# KiCad board solderCurved.kicad_pcb (continued)
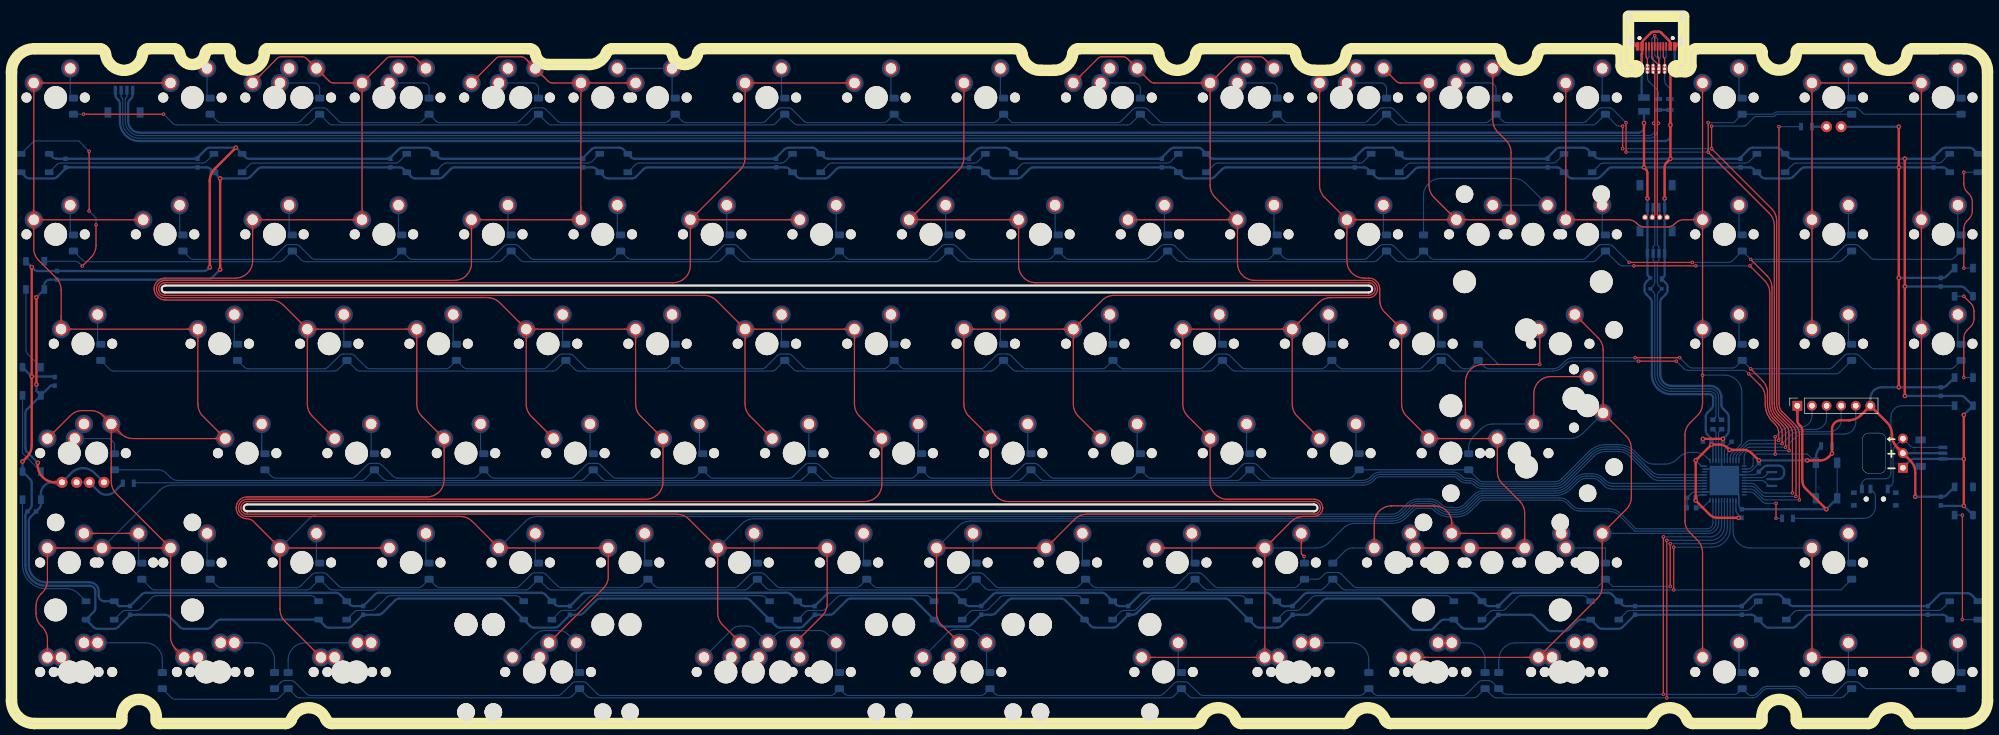
[diagram p0: board, top side]
## Copper pours and planes (outline as drawn; the poured copper is in the pictures) (continued)
Col4 on Top: 187.85,51.23 187.92,51.16 187.99,51.09 188.04,51.02 188.09,50.95 188.14,50.89 188.18,50.82 188.21,50.76 188.24,50.7 188.26,50.64 188.28,50.58 188.29,50.52 188.31,50.46 188.32,50.4 188.33,50.34 188.36,49.77 188.37,49.7 188.38,49.63 188.39,49.55 188.41,49.47 188.43,49.39 188.45,49.31 188.48,49.22 190.04,49.19 190.01,50.75 189.92,50.78 189.84,50.8 189.76,50.82 189.68,50.84 189.6,50.85 189.53,50.86 189.46,50.87 188.89,50.9 188.83,50.91 188.77,50.92 188.71,50.93 188.65,50.95 188.59,50.97 188.53,50.99 188.47,51.02 188.41,51.05 188.34,51.09 188.28,51.13 188.21,51.18 188.14,51.24 188.07,51.3 187.99,51.38
Col4 on Top: 165.9,66.27 165.9,66.38 165.91,66.47 165.92,66.56 165.93,66.64 165.95,66.72 165.96,66.79 165.99,66.86 166.01,66.92 166.04,66.98 166.06,67.04 166.1,67.09 166.13,67.14 166.16,67.19 166.2,67.24 166.58,67.67 166.62,67.72 166.67,67.78 166.71,67.85 166.75,67.91 166.8,67.98 166.84,68.06 166.88,68.14 165.8,69.26 164.72,68.14 164.76,68.06 164.81,67.98 164.85,67.91 164.89,67.85 164.94,67.78 164.98,67.72 165.03,67.67 165.4,67.24 165.44,67.19 165.47,67.14 165.51,67.09 165.54,67.04 165.57,66.98 165.59,66.92 165.62,66.86 165.64,66.79 165.66,66.72 165.67,66.64 165.69,66.56 165.69,66.47 165.7,66.38 165.7,66.27
Col4 on Top: 158.67,87.81 158.56,87.82 158.47,87.82 158.38,87.83 158.3,87.84 158.22,87.86 158.15,87.88 158.08,87.9 158.02,87.92 157.96,87.95 157.9,87.98 157.85,88.01 157.8,88.04 157.75,88.08 157.7,88.11 157.27,88.49 157.22,88.54 157.16,88.58 157.1,88.62 157.03,88.67 156.96,88.71 156.88,88.75 156.8,88.79 155.68,87.71 156.8,86.63 156.88,86.68 156.96,86.72 157.03,86.76 157.1,86.81 157.16,86.85 157.22,86.89 157.27,86.94 157.7,87.32 157.75,87.35 157.8,87.39 157.85,87.42 157.9,87.45 157.96,87.48 158.02,87.51 158.08,87.53 158.15,87.55 158.22,87.57 158.3,87.59 158.38,87.6 158.47,87.61 158.56,87.61 158.67,87.61
Col4 on Top: 184.95,66.27 184.95,66.38 184.96,66.47 184.97,66.56 184.98,66.64 185,66.72 185.01,66.79 185.04,66.86 185.06,66.92 185.09,66.98 185.11,67.04 185.15,67.09 185.18,67.14 185.21,67.19 185.25,67.24 185.63,67.67 185.67,67.72 185.72,67.78 185.76,67.85 185.8,67.91 185.85,67.98 185.89,68.06 185.93,68.14 184.85,69.26 183.77,68.14 183.81,68.06 183.86,67.98 183.9,67.91 183.94,67.85 183.99,67.78 184.03,67.72 184.08,67.67 184.45,67.24 184.49,67.19 184.52,67.14 184.56,67.09 184.59,67.04 184.62,66.98 184.64,66.92 184.67,66.86 184.69,66.79 184.71,66.72 184.72,66.64 184.74,66.56 184.74,66.47 184.75,66.38 184.75,66.27
Col4 on Top: 163.25,15.67 163.32,15.6 163.38,15.53 163.44,15.46 163.49,15.39 163.53,15.33 163.57,15.26 163.6,15.2 163.63,15.14 163.65,15.08 163.67,15.02 163.69,14.96 163.7,14.9 163.71,14.84 163.72,14.78 163.75,14.21 163.76,14.14 163.77,14.07 163.79,13.99 163.8,13.91 163.82,13.83 163.85,13.75 163.87,13.66 165.43,13.63 165.4,15.19 165.31,15.22 165.23,15.24 165.15,15.26 165.07,15.28 165,15.29 164.92,15.3 164.85,15.31 164.28,15.34 164.22,15.35 164.16,15.36 164.1,15.37 164.04,15.39 163.98,15.41 163.92,15.43 163.86,15.46 163.8,15.49 163.73,15.53 163.67,15.57 163.6,15.62 163.53,15.68 163.46,15.74 163.39,15.82
Col4 on Top: 177.7,30.46 177.8,30.46 177.9,30.46 177.98,30.45 178.07,30.44 178.14,30.42 178.22,30.4 178.28,30.38 178.35,30.36 178.41,30.33 178.46,30.3 178.52,30.27 178.57,30.24 178.62,30.2 178.66,30.17 179.09,29.79 179.15,29.74 179.21,29.7 179.27,29.66 179.34,29.61 179.41,29.57 179.48,29.53 179.57,29.48 180.69,30.56 179.57,31.64 179.48,31.6 179.41,31.56 179.34,31.52 179.27,31.47 179.21,31.43 179.15,31.39 179.09,31.34 178.66,30.96 178.62,30.93 178.57,30.89 178.52,30.86 178.46,30.83 178.41,30.8 178.35,30.77 178.28,30.75 178.22,30.73 178.14,30.71 178.07,30.69 177.98,30.68 177.9,30.67 177.8,30.67 177.7,30.66
Col4 on Top: 181.71,32.33 181.63,32.25 181.56,32.19 181.49,32.13 181.43,32.08 181.36,32.04 181.3,32 181.24,31.97 181.17,31.94 181.11,31.92 181.05,31.9 180.99,31.88 180.93,31.87 180.87,31.86 180.81,31.85 180.24,31.82 180.17,31.81 180.1,31.8 180.03,31.79 179.95,31.77 179.87,31.75 179.78,31.73 179.7,31.7 179.66,30.14 181.22,30.17 181.25,30.26 181.28,30.34 181.29,30.42 181.31,30.5 181.32,30.58 181.33,30.65 181.34,30.72 181.38,31.29 181.39,31.35 181.4,31.41 181.41,31.47 181.42,31.53 181.44,31.59 181.47,31.65 181.5,31.71 181.53,31.77 181.57,31.84 181.61,31.9 181.66,31.97 181.72,32.04 181.78,32.11 181.85,32.18
Col4 on Top: 172.94,87.61 173.04,87.61 173.13,87.61 173.22,87.6 173.3,87.59 173.38,87.57 173.45,87.55 173.52,87.53 173.59,87.51 173.64,87.48 173.7,87.45 173.75,87.42 173.81,87.39 173.85,87.35 173.9,87.32 174.33,86.94 174.39,86.89 174.44,86.85 174.51,86.81 174.57,86.76 174.65,86.72 174.72,86.68 174.8,86.63 175.93,87.71 174.8,88.79 174.72,88.75 174.65,88.71 174.57,88.67 174.51,88.62 174.44,88.58 174.39,88.54 174.33,88.49 173.9,88.11 173.85,88.08 173.81,88.04 173.75,88.01 173.7,87.98 173.64,87.95 173.59,87.92 173.52,87.9 173.45,87.88 173.38,87.86 173.3,87.84 173.22,87.83 173.13,87.82 173.04,87.82 172.94,87.81
Col4 on Top: 168.8,51.23 168.87,51.16 168.94,51.09 168.99,51.02 169.04,50.95 169.09,50.89 169.13,50.82 169.16,50.76 169.19,50.7 169.21,50.64 169.23,50.58 169.24,50.52 169.26,50.46 169.27,50.4 169.28,50.34 169.31,49.77 169.32,49.7 169.33,49.63 169.34,49.55 169.36,49.47 169.38,49.39 169.4,49.31 169.43,49.22 170.99,49.19 170.96,50.75 170.87,50.78 170.79,50.8 170.71,50.82 170.63,50.84 170.55,50.85 170.48,50.86 170.41,50.87 169.84,50.9 169.78,50.91 169.72,50.92 169.66,50.93 169.6,50.95 169.54,50.97 169.48,50.99 169.42,51.02 169.36,51.05 169.29,51.09 169.23,51.13 169.16,51.18 169.09,51.24 169.02,51.3 168.94,51.38
Col4 on Top: 170.66,47.22 170.67,47.33 170.67,47.42 170.68,47.51 170.69,47.59 170.71,47.67 170.73,47.74 170.75,47.81 170.77,47.87 170.8,47.93 170.83,47.99 170.86,48.04 170.89,48.09 170.93,48.14 170.96,48.19 171.34,48.62 171.38,48.67 171.43,48.73 171.47,48.8 171.52,48.86 171.56,48.93 171.6,49.01 171.64,49.09 170.56,50.21 169.48,49.09 169.53,49.01 169.57,48.93 169.61,48.86 169.65,48.8 169.7,48.73 169.74,48.67 169.79,48.62 170.17,48.19 170.2,48.14 170.24,48.09 170.27,48.04 170.3,47.99 170.33,47.93 170.36,47.87 170.38,47.81 170.4,47.74 170.42,47.67 170.44,47.59 170.45,47.51 170.46,47.42 170.46,47.33 170.46,47.22
Col4 on Bottom: 163.22,32.89 163.13,32.8 163.03,32.71 162.94,32.64 162.85,32.57 162.76,32.51 162.67,32.46 162.59,32.42 162.5,32.38 162.42,32.35 162.34,32.33 162.26,32.31 162.18,32.29 162.1,32.28 162.02,32.27 161.94,32.26 161.86,32.26 161.44,32.25 161.35,32.24 161.25,32.23 161.16,32.22 161.06,32.21 160.96,32.19 160.85,32.17 160.74,32.15 160.63,32.11 160.51,32.08 160.47,30 162.55,30.04 162.59,30.16 162.62,30.27 162.65,30.38 162.67,30.48 162.69,30.59 162.7,30.68 162.71,30.78 162.72,30.87 162.72,30.96 162.73,31.39 162.74,31.47 162.74,31.55 162.75,31.63 162.77,31.71 162.78,31.79 162.8,31.87 162.83,31.95 162.86,32.03 162.89,32.11 162.94,32.2 162.99,32.28 163.04,32.37 163.11,32.46 163.19,32.56 163.27,32.65 163.37,32.75
Col4 on Bottom: 162.66,32.33 162.58,32.25 162.51,32.19 162.44,32.13 162.38,32.08 162.31,32.04 162.25,32 162.19,31.97 162.12,31.94 162.06,31.92 162,31.9 161.94,31.88 161.88,31.87 161.82,31.86 161.76,31.85 161.19,31.82 161.12,31.81 161.05,31.8 160.98,31.79 160.9,31.77 160.82,31.75 160.73,31.73 160.65,31.7 160.61,30.14 162.17,30.17 162.2,30.26 162.23,30.34 162.24,30.42 162.26,30.5 162.27,30.58 162.28,30.65 162.29,30.72 162.33,31.29 162.34,31.35 162.35,31.41 162.36,31.47 162.37,31.53 162.39,31.59 162.42,31.65 162.45,31.71 162.48,31.77 162.52,31.84 162.56,31.9 162.61,31.97 162.67,32.04 162.73,32.11 162.8,32.18
Col5 on Top: 213.53,85.32 213.53,85.43 213.53,85.52 213.54,85.61 213.56,85.69 213.57,85.77 213.59,85.84 213.61,85.91 213.63,85.97 213.66,86.03 213.69,86.09 213.72,86.14 213.75,86.19 213.79,86.24 213.82,86.29 214.2,86.72 214.25,86.77 214.29,86.83 214.34,86.9 214.38,86.96 214.42,87.03 214.47,87.11 214.51,87.19 213.43,88.31 212.35,87.19 212.39,87.11 212.43,87.03 212.47,86.96 212.52,86.9 212.56,86.83 212.61,86.77 212.65,86.72 213.03,86.29 213.06,86.24 213.1,86.19 213.13,86.14 213.16,86.09 213.19,86.03 213.22,85.97 213.24,85.91 213.26,85.84 213.28,85.77 213.3,85.69 213.31,85.61 213.32,85.52 213.32,85.43 213.33,85.32
Col5 on Top: 225.95,51.23 226.02,51.16 226.09,51.09 226.14,51.02 226.19,50.95 226.24,50.89 226.28,50.82 226.31,50.76 226.34,50.7 226.36,50.64 226.38,50.58 226.39,50.52 226.41,50.46 226.42,50.4 226.43,50.34 226.46,49.77 226.47,49.7 226.48,49.63 226.49,49.55 226.51,49.47 226.53,49.39 226.55,49.31 226.58,49.22 228.14,49.19 228.11,50.75 228.02,50.78 227.94,50.8 227.86,50.82 227.78,50.84 227.7,50.85 227.63,50.86 227.56,50.87 226.99,50.9 226.93,50.91 226.87,50.92 226.81,50.93 226.75,50.95 226.69,50.97 226.63,50.99 226.57,51.02 226.51,51.05 226.44,51.09 226.38,51.13 226.31,51.18 226.24,51.24 226.17,51.3 226.09,51.38
Col5 on Top: 206.9,51.23 206.97,51.16 207.04,51.09 207.09,51.02 207.14,50.95 207.19,50.89 207.23,50.82 207.26,50.76 207.29,50.7 207.31,50.64 207.33,50.58 207.34,50.52 207.36,50.46 207.37,50.4 207.38,50.34 207.41,49.77 207.42,49.7 207.43,49.63 207.44,49.55 207.46,49.47 207.48,49.39 207.5,49.31 207.53,49.22 209.09,49.19 209.06,50.75 208.97,50.78 208.89,50.8 208.81,50.82 208.73,50.84 208.65,50.85 208.58,50.86 208.51,50.87 207.94,50.9 207.88,50.91 207.82,50.92 207.76,50.93 207.7,50.95 207.64,50.97 207.58,50.99 207.52,51.02 207.46,51.05 207.39,51.09 207.33,51.13 207.26,51.18 207.19,51.24 207.12,51.3 207.04,51.38
Col5 on Top: 197.72,112.45 197.65,112.52 197.59,112.59 197.53,112.66 197.48,112.73 197.44,112.79 197.4,112.86 197.37,112.92 197.34,112.98 197.32,113.04 197.3,113.1 197.28,113.16 197.27,113.22 197.26,113.28 197.25,113.34 197.22,113.91 197.21,113.98 197.2,114.06 197.19,114.13 197.17,114.21 197.15,114.29 197.13,114.37 197.1,114.46 195.54,114.49 195.57,112.93 195.66,112.91 195.74,112.88 195.82,112.86 195.9,112.84 195.98,112.83 196.05,112.82 196.12,112.81 196.69,112.78 196.75,112.77 196.81,112.76 196.87,112.75 196.93,112.73 196.99,112.71 197.05,112.69 197.11,112.66 197.17,112.63 197.24,112.59 197.3,112.55 197.37,112.5 197.44,112.44 197.51,112.38 197.58,112.31
Col5 on Top: 194.2,115.69 194.27,115.61 194.34,115.54 194.39,115.47 194.44,115.41 194.49,115.34 194.53,115.28 194.56,115.21 194.59,115.15 194.61,115.09 194.63,115.03 194.64,114.97 194.66,114.91 194.67,114.85 194.68,114.79 194.71,114.22 194.72,114.15 194.73,114.08 194.74,114 194.76,113.93 194.78,113.84 194.8,113.76 194.83,113.67 196.39,113.64 196.36,115.2 196.27,115.23 196.19,115.25 196.11,115.27 196.03,115.29 195.95,115.3 195.88,115.31 195.81,115.32 195.24,115.36 195.18,115.36 195.12,115.37 195.06,115.39 195,115.4 194.94,115.42 194.88,115.45 194.82,115.47 194.76,115.51 194.69,115.54 194.63,115.59 194.56,115.64 194.49,115.69 194.42,115.76 194.34,115.83
Col5 on Top: 218.02,115.69 218.09,115.61 218.15,115.54 218.21,115.47 218.26,115.41 218.3,115.34 218.34,115.28 218.37,115.21 218.4,115.15 218.42,115.09 218.44,115.03 218.46,114.97 218.47,114.91 218.48,114.85 218.49,114.79 218.52,114.22 218.53,114.15 218.54,114.08 218.55,114 218.57,113.93 218.59,113.84 218.61,113.76 218.64,113.67 220.2,113.64 220.17,115.2 220.08,115.23 220,115.25 219.92,115.27 219.84,115.29 219.76,115.3 219.69,115.31 219.62,115.32 219.05,115.36 218.99,115.36 218.93,115.37 218.87,115.39 218.81,115.4 218.75,115.42 218.69,115.45 218.63,115.47 218.57,115.51 218.5,115.54 218.44,115.59 218.37,115.64 218.3,115.69 218.23,115.76 218.16,115.83
Col5 on Top: 210.28,113.29 210.21,113.22 210.14,113.15 210.07,113.1 210,113.05 209.94,113 209.87,112.97 209.81,112.93 209.75,112.91 209.69,112.88 209.63,112.86 209.57,112.85 209.51,112.83 209.45,112.82 209.39,112.82 208.82,112.78 208.75,112.77 208.68,112.76 208.6,112.75 208.52,112.73 208.44,112.71 208.36,112.69 208.27,112.66 208.24,111.1 209.8,111.13 209.83,111.22 209.85,111.3 209.87,111.39 209.89,111.46 209.9,111.54 209.91,111.61 209.92,111.68 209.95,112.25 209.96,112.31 209.97,112.37 209.98,112.43 210,112.49 210.02,112.55 210.04,112.61 210.07,112.67 210.1,112.74 210.14,112.8 210.18,112.87 210.23,112.93 210.29,113 210.35,113.07 210.42,113.15
Col5 on Top: 220.56,68.56 220.66,68.56 220.76,68.56 220.85,68.55 220.93,68.54 221.01,68.52 221.08,68.5 221.15,68.48 221.21,68.46 221.27,68.43 221.33,68.4 221.38,68.37 221.43,68.34 221.48,68.3 221.53,68.27 221.96,67.89 222.01,67.84 222.07,67.8 222.13,67.76 222.2,67.71 222.27,67.67 222.35,67.63 222.43,67.58 223.55,68.66 222.43,69.74 222.35,69.7 222.27,69.66 222.2,69.62 222.13,69.57 222.07,69.53 222.01,69.49 221.96,69.44 221.53,69.06 221.48,69.03 221.43,68.99 221.38,68.96 221.33,68.93 221.27,68.9 221.21,68.87 221.15,68.85 221.08,68.83 221.01,68.81 220.93,68.79 220.85,68.78 220.76,68.77 220.66,68.77 220.56,68.76
Col5 on Top: 204,66.27 204,66.38 204.01,66.47 204.02,66.56 204.03,66.64 204.05,66.72 204.06,66.79 204.09,66.86 204.11,66.92 204.14,66.98 204.16,67.04 204.2,67.09 204.23,67.14 204.26,67.19 204.3,67.24 204.68,67.67 204.72,67.72 204.77,67.78 204.81,67.85 204.85,67.91 204.9,67.98 204.94,68.06 204.98,68.14 203.9,69.26 202.82,68.14 202.86,68.06 202.91,67.98 202.95,67.91 202.99,67.85 203.04,67.78 203.08,67.72 203.13,67.67 203.5,67.24 203.54,67.19 203.57,67.14 203.61,67.09 203.64,67.04 203.67,66.98 203.69,66.92 203.72,66.86 203.74,66.79 203.76,66.72 203.77,66.64 203.79,66.56 203.79,66.47 203.8,66.38 203.8,66.27
Col5 on Top: 219.81,32.33 219.73,32.25 219.66,32.19 219.59,32.13 219.53,32.08 219.46,32.04 219.4,32 219.34,31.97 219.27,31.94 219.21,31.92 219.15,31.9 219.09,31.88 219.03,31.87 218.97,31.86 218.91,31.85 218.34,31.82 218.27,31.81 218.2,31.8 218.13,31.79 218.05,31.77 217.97,31.75 217.88,31.73 217.8,31.7 217.76,30.14 219.32,30.17 219.35,30.26 219.38,30.34 219.39,30.42 219.41,30.5 219.42,30.58 219.43,30.65 219.44,30.72 219.48,31.29 219.49,31.35 219.5,31.41 219.51,31.47 219.52,31.53 219.54,31.59 219.57,31.65 219.6,31.71 219.63,31.77 219.67,31.84 219.71,31.9 219.76,31.97 219.82,32.04 219.88,32.11 219.95,32.18
Col5 on Top: 211.04,87.61 211.14,87.61 211.23,87.61 211.32,87.6 211.4,87.59 211.48,87.57 211.55,87.55 211.62,87.53 211.69,87.51 211.74,87.48 211.8,87.45 211.85,87.42 211.91,87.39 211.95,87.35 212,87.32 212.43,86.94 212.49,86.89 212.54,86.85 212.61,86.81 212.67,86.76 212.75,86.72 212.82,86.68 212.9,86.63 214.03,87.71 212.9,88.79 212.82,88.75 212.75,88.71 212.67,88.67 212.61,88.62 212.54,88.58 212.49,88.54 212.43,88.49 212,88.11 211.95,88.08 211.91,88.04 211.85,88.01 211.8,87.98 211.74,87.95 211.69,87.92 211.62,87.9 211.55,87.88 211.48,87.86 211.4,87.84 211.32,87.83 211.23,87.82 211.14,87.82 211.04,87.81
Col5 on Top: 201.53,30.66 201.43,30.67 201.33,30.67 201.24,30.68 201.16,30.69 201.08,30.71 201.01,30.73 200.94,30.75 200.88,30.77 200.82,30.8 200.76,30.83 200.71,30.86 200.66,30.89 200.61,30.93 200.56,30.96 200.14,31.34 200.08,31.39 200.02,31.43 199.96,31.47 199.89,31.52 199.82,31.56 199.74,31.6 199.66,31.64 198.54,30.56 199.66,29.48 199.74,29.53 199.82,29.57 199.89,29.61 199.96,29.66 200.02,29.7 200.08,29.74 200.14,29.79 200.56,30.17 200.61,30.2 200.66,30.24 200.71,30.27 200.76,30.3 200.82,30.33 200.88,30.36 200.94,30.38 201.01,30.4 201.08,30.42 201.16,30.44 201.24,30.45 201.33,30.46 201.43,30.46 201.53,30.46
Col5 on Top: 208.76,109.14 208.77,109.24 208.77,109.33 208.78,109.42 208.79,109.51 208.81,109.58 208.83,109.65 208.85,109.72 208.87,109.79 208.9,109.85 208.93,109.9 208.96,109.96 208.99,110.01 209.03,110.06 209.06,110.1 209.44,110.53 209.48,110.59 209.53,110.65 209.57,110.71 209.62,110.77 209.66,110.85 209.7,110.92 209.74,111 208.66,112.13 207.58,111 207.63,110.92 207.67,110.85 207.71,110.77 207.75,110.71 207.8,110.65 207.84,110.59 207.89,110.53 208.27,110.1 208.3,110.06 208.34,110.01 208.37,109.96 208.4,109.9 208.43,109.85 208.46,109.79 208.48,109.72 208.5,109.65 208.52,109.58 208.54,109.51 208.55,109.42 208.56,109.33 208.56,109.24 208.56,109.14
Col5 on Top: 218.09,13.9 218.09,13.8 218.08,13.71 218.07,13.62 218.06,13.54 218.04,13.46 218.03,13.39 218.01,13.32 217.98,13.26 217.95,13.2 217.93,13.14 217.89,13.09 217.86,13.04 217.83,12.99 217.79,12.94 217.41,12.51 217.37,12.46 217.32,12.4 217.28,12.33 217.24,12.27 217.19,12.2 217.15,12.12 217.11,12.04 218.19,10.91 219.27,12.04 219.23,12.12 219.19,12.2 219.14,12.27 219.1,12.33 219.05,12.4 219.01,12.46 218.97,12.51 218.59,12.94 218.55,12.99 218.52,13.04 218.48,13.09 218.45,13.14 218.42,13.2 218.4,13.26 218.37,13.32 218.35,13.39 218.33,13.46 218.32,13.54 218.31,13.62 218.3,13.71 218.29,13.8 218.29,13.9
Col5 on Top: 196.77,87.81 196.66,87.82 196.57,87.82 196.48,87.83 196.4,87.84 196.32,87.86 196.25,87.88 196.18,87.9 196.12,87.92 196.06,87.95 196,87.98 195.95,88.01 195.9,88.04 195.85,88.08 195.8,88.11 195.37,88.49 195.32,88.54 195.26,88.58 195.2,88.62 195.13,88.67 195.06,88.71 194.98,88.75 194.9,88.79 193.78,87.71 194.9,86.63 194.98,86.68 195.06,86.72 195.13,86.76 195.2,86.81 195.26,86.85 195.32,86.89 195.37,86.94 195.8,87.32 195.85,87.35 195.9,87.39 195.95,87.42 196,87.45 196.06,87.48 196.12,87.51 196.18,87.53 196.25,87.55 196.32,87.57 196.4,87.59 196.48,87.6 196.57,87.61 196.66,87.61 196.77,87.61
Col5 on Top: 199.15,11.61 199.05,11.62 198.95,11.62 198.86,11.63 198.78,11.64 198.7,11.66 198.63,11.68 198.56,11.7 198.5,11.72 198.44,11.75 198.38,11.78 198.33,11.81 198.28,11.84 198.23,11.88 198.18,11.91 197.75,12.29 197.7,12.34 197.64,12.38 197.58,12.42 197.51,12.47 197.44,12.51 197.36,12.55 197.28,12.59 196.16,11.51 197.28,10.43 197.36,10.48 197.44,10.52 197.51,10.56 197.58,10.61 197.64,10.65 197.7,10.69 197.75,10.74 198.18,11.12 198.23,11.15 198.28,11.19 198.33,11.22 198.38,11.25 198.44,11.28 198.5,11.31 198.56,11.33 198.63,11.35 198.7,11.37 198.78,11.39 198.86,11.4 198.95,11.41 199.05,11.41 199.15,11.41
Col5 on Top: 206.29,68.76 206.19,68.77 206.09,68.77 206.01,68.78 205.92,68.79 205.85,68.81 205.77,68.83 205.71,68.85 205.64,68.87 205.58,68.9 205.53,68.93 205.47,68.96 205.42,68.99 205.37,69.03 205.33,69.06 204.9,69.44 204.84,69.49 204.78,69.53 204.72,69.57 204.65,69.62 204.58,69.66 204.51,69.7 204.42,69.74 203.3,68.66 204.42,67.58 204.51,67.63 204.58,67.67 204.65,67.71 204.72,67.76 204.78,67.8 204.84,67.84 204.9,67.89 205.33,68.27 205.37,68.3 205.42,68.34 205.47,68.37 205.53,68.4 205.58,68.43 205.64,68.46 205.71,68.48 205.77,68.5 205.85,68.52 205.92,68.54 206.01,68.55 206.09,68.56 206.19,68.56 206.29,68.56
Col5 on Top: 211.67,89.33 211.74,89.26 211.8,89.19 211.86,89.12 211.91,89.05 211.95,88.99 211.99,88.92 212.02,88.86 212.05,88.8 212.07,88.74 212.09,88.68 212.11,88.62 212.12,88.56 212.13,88.5 212.14,88.44 212.17,87.87 212.18,87.8 212.19,87.73 212.2,87.65 212.22,87.57 212.24,87.49 212.26,87.41 212.29,87.32 213.85,87.29 213.82,88.85 213.73,88.88 213.65,88.9 213.57,88.92 213.49,88.94 213.41,88.95 213.34,88.96 213.27,88.97 212.7,89 212.64,89.01 212.58,89.02 212.52,89.03 212.46,89.05 212.4,89.07 212.34,89.09 212.28,89.12 212.22,89.15 212.15,89.19 212.09,89.23 212.02,89.28 211.95,89.34 211.88,89.4 211.81,89.48
Col5 on Top: 186.47,113.29 186.4,113.22 186.33,113.15 186.26,113.1 186.19,113.05 186.12,113 186.06,112.97 186,112.93 185.94,112.91 185.87,112.88 185.81,112.86 185.76,112.85 185.7,112.83 185.64,112.82 185.58,112.82 185.01,112.78 184.94,112.77 184.86,112.76 184.79,112.75 184.71,112.73 184.63,112.71 184.54,112.69 184.46,112.66 184.43,111.1 185.99,111.13 186.01,111.22 186.04,111.3 186.06,111.39 186.07,111.46 186.09,111.54 186.1,111.61 186.11,111.68 186.14,112.25 186.15,112.31 186.16,112.37 186.17,112.43 186.19,112.49 186.21,112.55 186.23,112.61 186.26,112.67 186.29,112.74 186.33,112.8 186.37,112.87 186.42,112.93 186.48,113 186.54,113.07 186.61,113.15
Col5 on Top: 208.76,47.22 208.77,47.33 208.77,47.42 208.78,47.51 208.79,47.59 208.81,47.67 208.83,47.74 208.85,47.81 208.87,47.87 208.9,47.93 208.93,47.99 208.96,48.04 208.99,48.09 209.03,48.14 209.06,48.19 209.44,48.62 209.48,48.67 209.53,48.73 209.57,48.8 209.62,48.86 209.66,48.93 209.7,49.01 209.74,49.09 208.66,50.21 207.58,49.09 207.63,49.01 207.67,48.93 207.71,48.86 207.75,48.8 207.8,48.73 207.84,48.67 207.89,48.62 208.27,48.19 208.3,48.14 208.34,48.09 208.37,48.04 208.4,47.99 208.43,47.93 208.46,47.87 208.48,47.81 208.5,47.74 208.52,47.67 208.54,47.59 208.55,47.51 208.56,47.42 208.56,47.33 208.56,47.22
Col5 on Top: 218.29,28.17 218.29,28.28 218.3,28.37 218.31,28.46 218.32,28.54 218.33,28.62 218.35,28.69 218.37,28.76 218.4,28.82 218.42,28.88 218.45,28.94 218.48,28.99 218.52,29.04 218.55,29.09 218.59,29.14 218.97,29.57 219.01,29.62 219.05,29.68 219.1,29.75 219.14,29.81 219.19,29.88 219.23,29.96 219.27,30.04 218.19,31.16 217.11,30.04 217.15,29.96 217.19,29.88 217.24,29.81 217.28,29.75 217.32,29.68 217.37,29.62 217.41,29.57 217.79,29.14 217.83,29.09 217.86,29.04 217.89,28.99 217.93,28.94 217.95,28.88 217.98,28.82 218.01,28.76 218.03,28.69 218.04,28.62 218.06,28.54 218.07,28.46 218.08,28.37 218.09,28.28 218.09,28.17
Col5 on Top: 223.05,66.27 223.05,66.38 223.06,66.47 223.07,66.56 223.08,66.64 223.1,66.72 223.11,66.79 223.14,66.86 223.16,66.92 223.19,66.98 223.21,67.04 223.25,67.09 223.28,67.14 223.31,67.19 223.35,67.24 223.73,67.67 223.77,67.72 223.82,67.78 223.86,67.85 223.9,67.91 223.95,67.98 223.99,68.06 224.03,68.14 222.95,69.26 221.87,68.14 221.91,68.06 221.96,67.98 222,67.91 222.04,67.85 222.09,67.78 222.13,67.72 222.18,67.67 222.55,67.24 222.59,67.19 222.62,67.14 222.66,67.09 222.69,67.04 222.72,66.98 222.74,66.92 222.77,66.86 222.79,66.79 222.81,66.72 222.82,66.64 222.84,66.56 222.84,66.47 222.85,66.38 222.85,66.27
Col5 on Top: 206.27,111.43 206.38,111.43 206.47,111.42 206.56,111.41 206.64,111.4 206.72,111.38 206.79,111.36 206.86,111.34 206.92,111.32 206.98,111.29 207.04,111.26 207.09,111.23 207.14,111.2 207.19,111.17 207.24,111.13 207.67,110.75 207.72,110.71 207.78,110.66 207.85,110.62 207.91,110.57 207.98,110.53 208.06,110.49 208.14,110.45 209.26,111.53 208.14,112.61 208.06,112.57 207.98,112.52 207.91,112.48 207.85,112.44 207.78,112.39 207.72,112.35 207.67,112.3 207.24,111.93 207.19,111.89 207.14,111.85 207.09,111.82 207.04,111.79 206.98,111.76 206.92,111.73 206.86,111.71 206.79,111.69 206.72,111.67 206.64,111.66 206.56,111.64 206.47,111.63 206.38,111.63 206.27,111.63
Col5 on Top: 215.8,11.41 215.9,11.41 216,11.41 216.08,11.4 216.17,11.39 216.24,11.37 216.32,11.35 216.38,11.33 216.45,11.31 216.51,11.28 216.56,11.25 216.62,11.22 216.67,11.19 216.72,11.15 216.76,11.12 217.19,10.74 217.25,10.69 217.31,10.65 217.37,10.61 217.44,10.56 217.51,10.52 217.58,10.48 217.67,10.43 218.79,11.51 217.67,12.59 217.58,12.55 217.51,12.51 217.44,12.47 217.37,12.42 217.31,12.38 217.25,12.34 217.19,12.29 216.76,11.91 216.72,11.88 216.67,11.84 216.62,11.81 216.56,11.78 216.51,11.75 216.45,11.72 216.38,11.7 216.32,11.68 216.24,11.66 216.17,11.64 216.08,11.63 216,11.62 215.9,11.62 215.8,11.61
Col5 on Top: 215.8,30.46 215.9,30.46 216,30.46 216.08,30.45 216.17,30.44 216.24,30.42 216.32,30.4 216.38,30.38 216.45,30.36 216.51,30.33 216.56,30.3 216.62,30.27 216.67,30.24 216.72,30.2 216.76,30.17 217.19,29.79 217.25,29.74 217.31,29.7 217.37,29.66 217.44,29.61 217.51,29.57 217.58,29.53 217.67,29.48 218.79,30.56 217.67,31.64 217.58,31.6 217.51,31.56 217.44,31.52 217.37,31.47 217.31,31.43 217.25,31.39 217.19,31.34 216.76,30.96 216.72,30.93 216.67,30.89 216.62,30.86 216.56,30.83 216.51,30.8 216.45,30.77 216.38,30.75 216.32,30.73 216.24,30.71 216.17,30.69 216.08,30.68 216,30.67 215.9,30.67 215.8,30.66
Col5 on Top: 224.57,70.43 224.5,70.35 224.43,70.29 224.36,70.23 224.29,70.18 224.22,70.14 224.16,70.1 224.1,70.07 224.04,70.04 223.97,70.02 223.91,70 223.86,69.98 223.8,69.97 223.74,69.96 223.68,69.95 223.11,69.92 223.04,69.91 222.96,69.9 222.89,69.89 222.81,69.87 222.73,69.85 222.64,69.83 222.56,69.8 222.53,68.24 224.09,68.27 224.11,68.36 224.14,68.44 224.16,68.52 224.17,68.6 224.19,68.68 224.2,68.75 224.21,68.82 224.24,69.39 224.25,69.45 224.26,69.51 224.27,69.57 224.29,69.63 224.31,69.69 224.33,69.75 224.36,69.81 224.39,69.87 224.43,69.94 224.47,70 224.52,70.07 224.58,70.14 224.64,70.21 224.71,70.28
Col5 on Bottom: 221.38,30.66 221.24,30.67 221.11,30.67 221,30.69 220.89,30.7 220.78,30.73 220.69,30.75 220.6,30.78 220.51,30.81 220.43,30.85 220.36,30.89 220.29,30.93 220.22,30.98 220.15,31.03 220.09,31.08 220.03,31.13 219.97,31.18 219.66,31.47 219.59,31.53 219.52,31.59 219.45,31.65 219.37,31.71 219.28,31.77 219.19,31.83 219.1,31.89 219,31.95 218.89,32 217.39,30.56 218.89,29.12 219,29.18 219.1,29.24 219.19,29.3 219.28,29.36 219.37,29.42 219.45,29.48 219.52,29.54 219.59,29.6 219.66,29.66 219.97,29.95 220.03,30 220.09,30.05 220.15,30.1 220.22,30.15 220.29,30.2 220.36,30.24 220.43,30.28 220.51,30.32 220.6,30.35 220.69,30.38 220.78,30.4 220.89,30.42 221,30.44 221.11,30.45 221.24,30.46 221.38,30.46
